# Altium PCB IOT_V1.3.PcbDoc (part 1 of 2)
Units mil, origin at the board's own origin, x right, y up, seen from the top; angles counter-clockwise.
Board outline 3405.51 x 3937.01 mil, 2 copper layers (Top Layer, Bottom Layer); 138 components, 122 nets, 485 pads, 475 vias.
Unrouted connection lines stored in the file: 52.
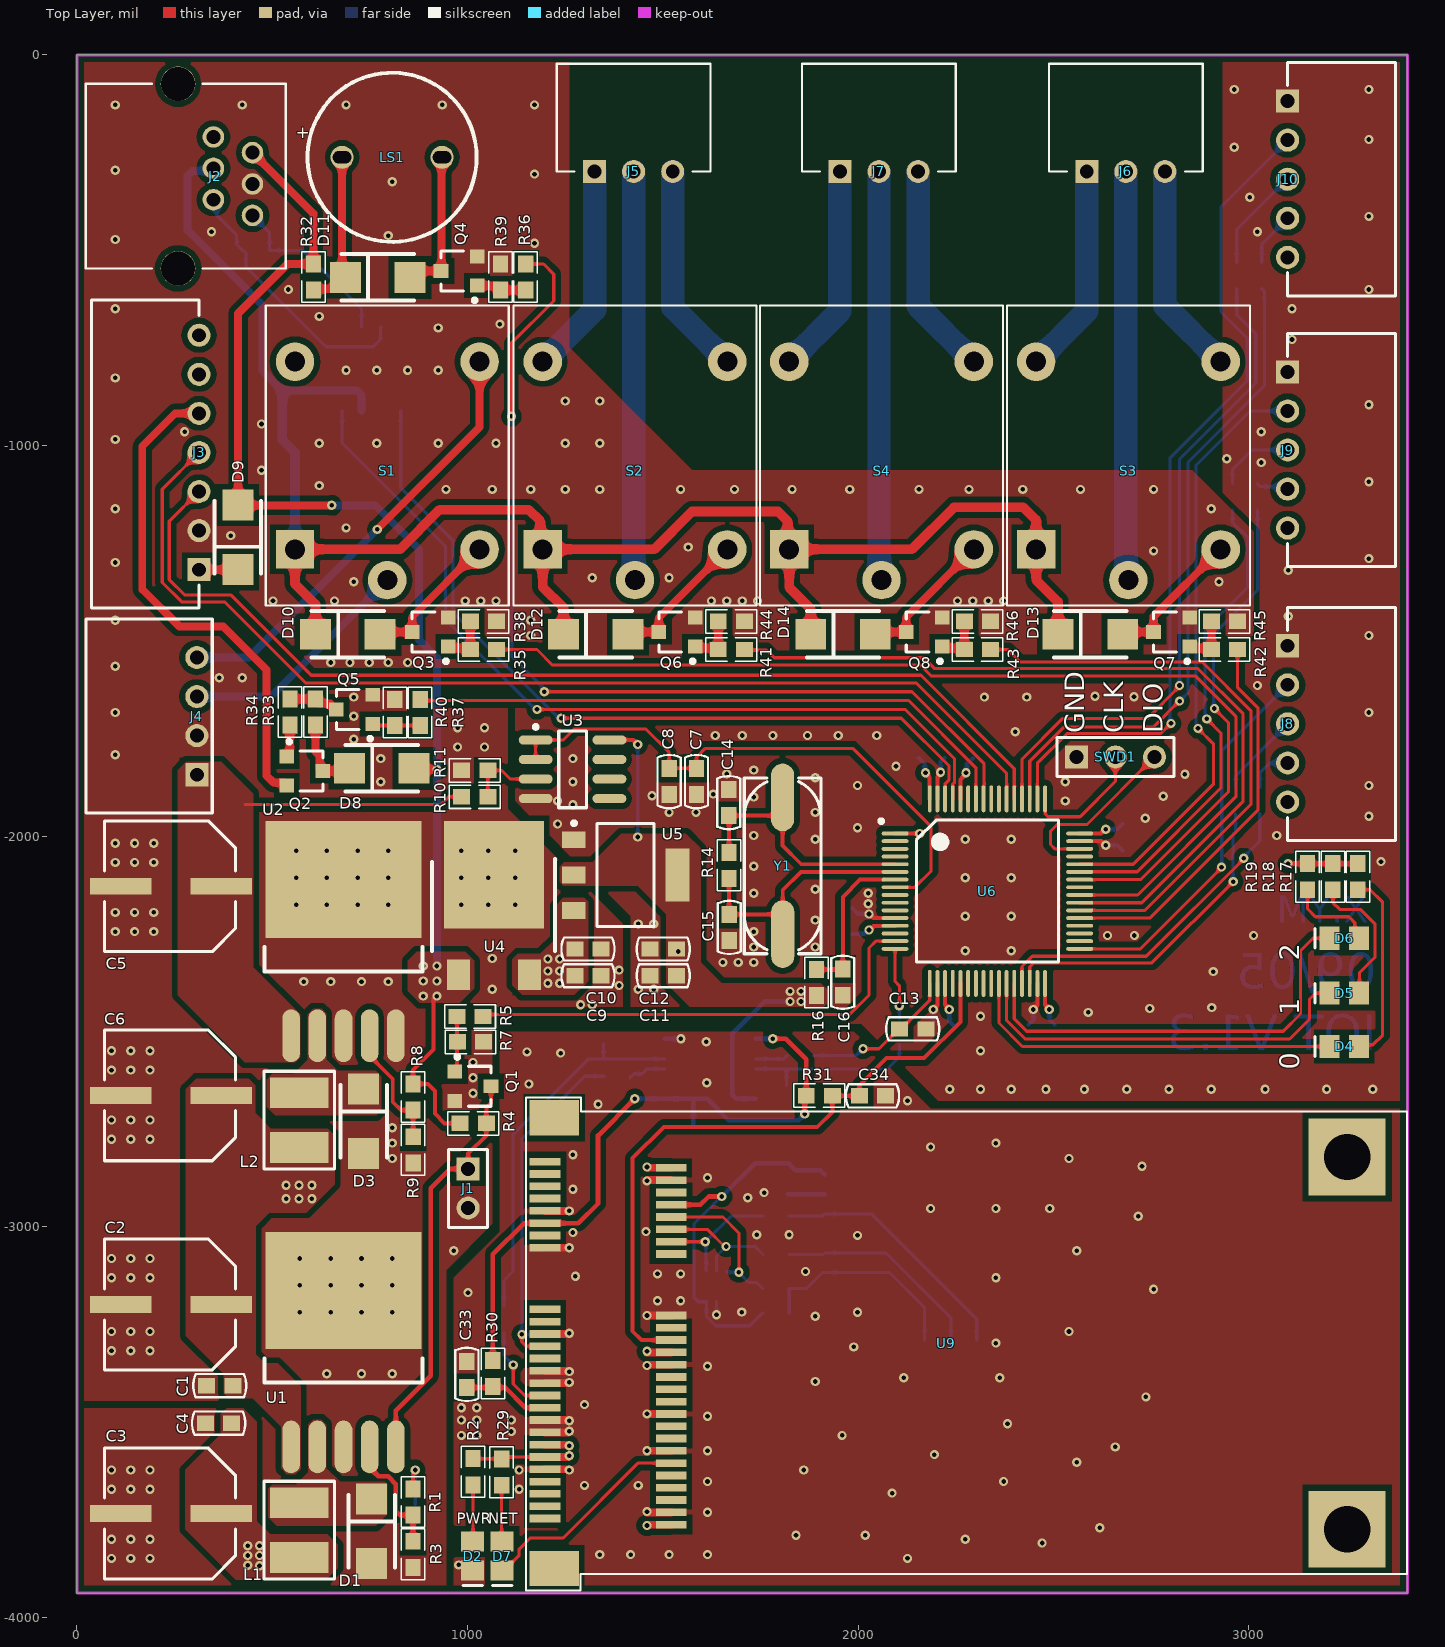
[diagram p0: Top Layer view]
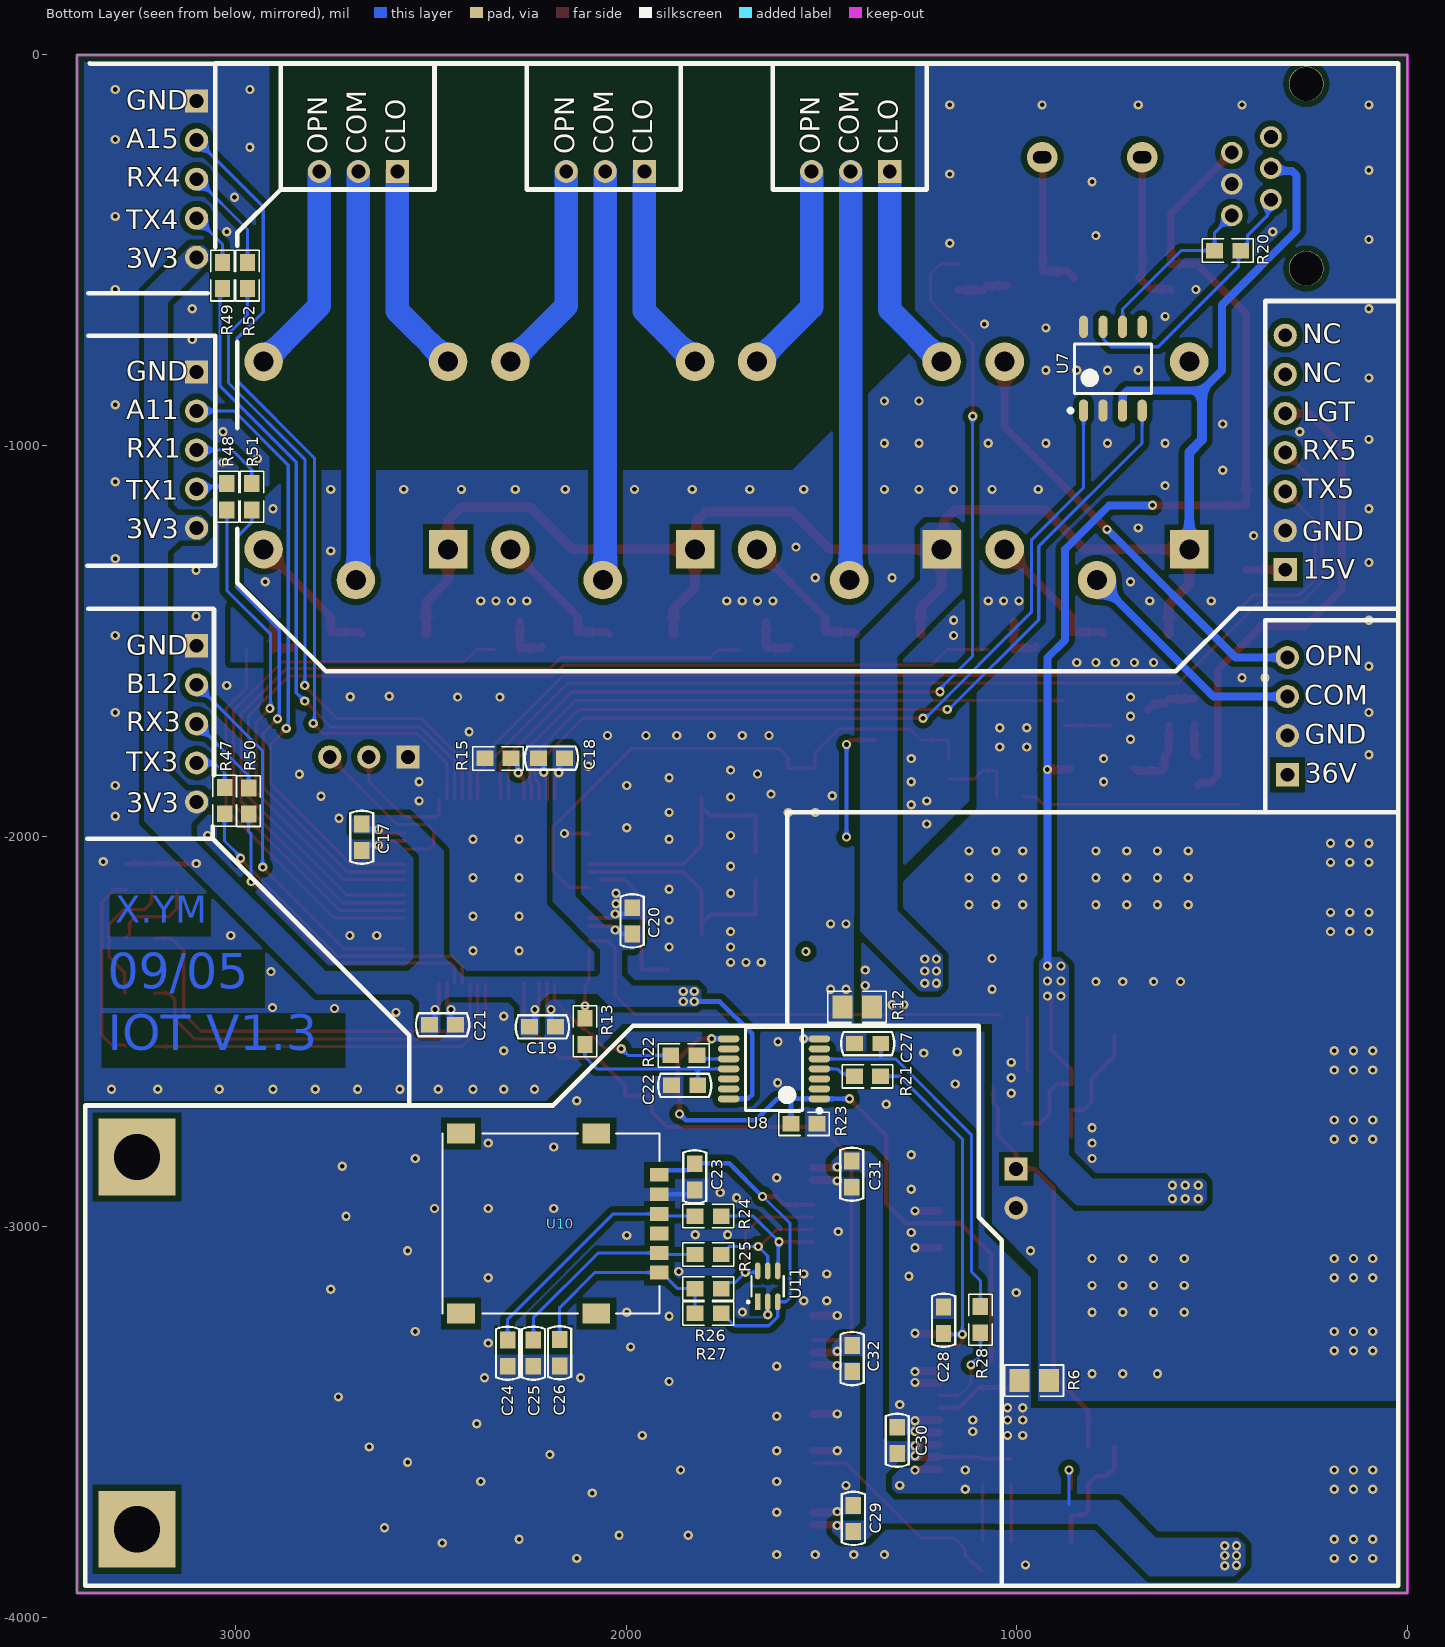
[diagram p1: Bottom Layer view, seen from below]
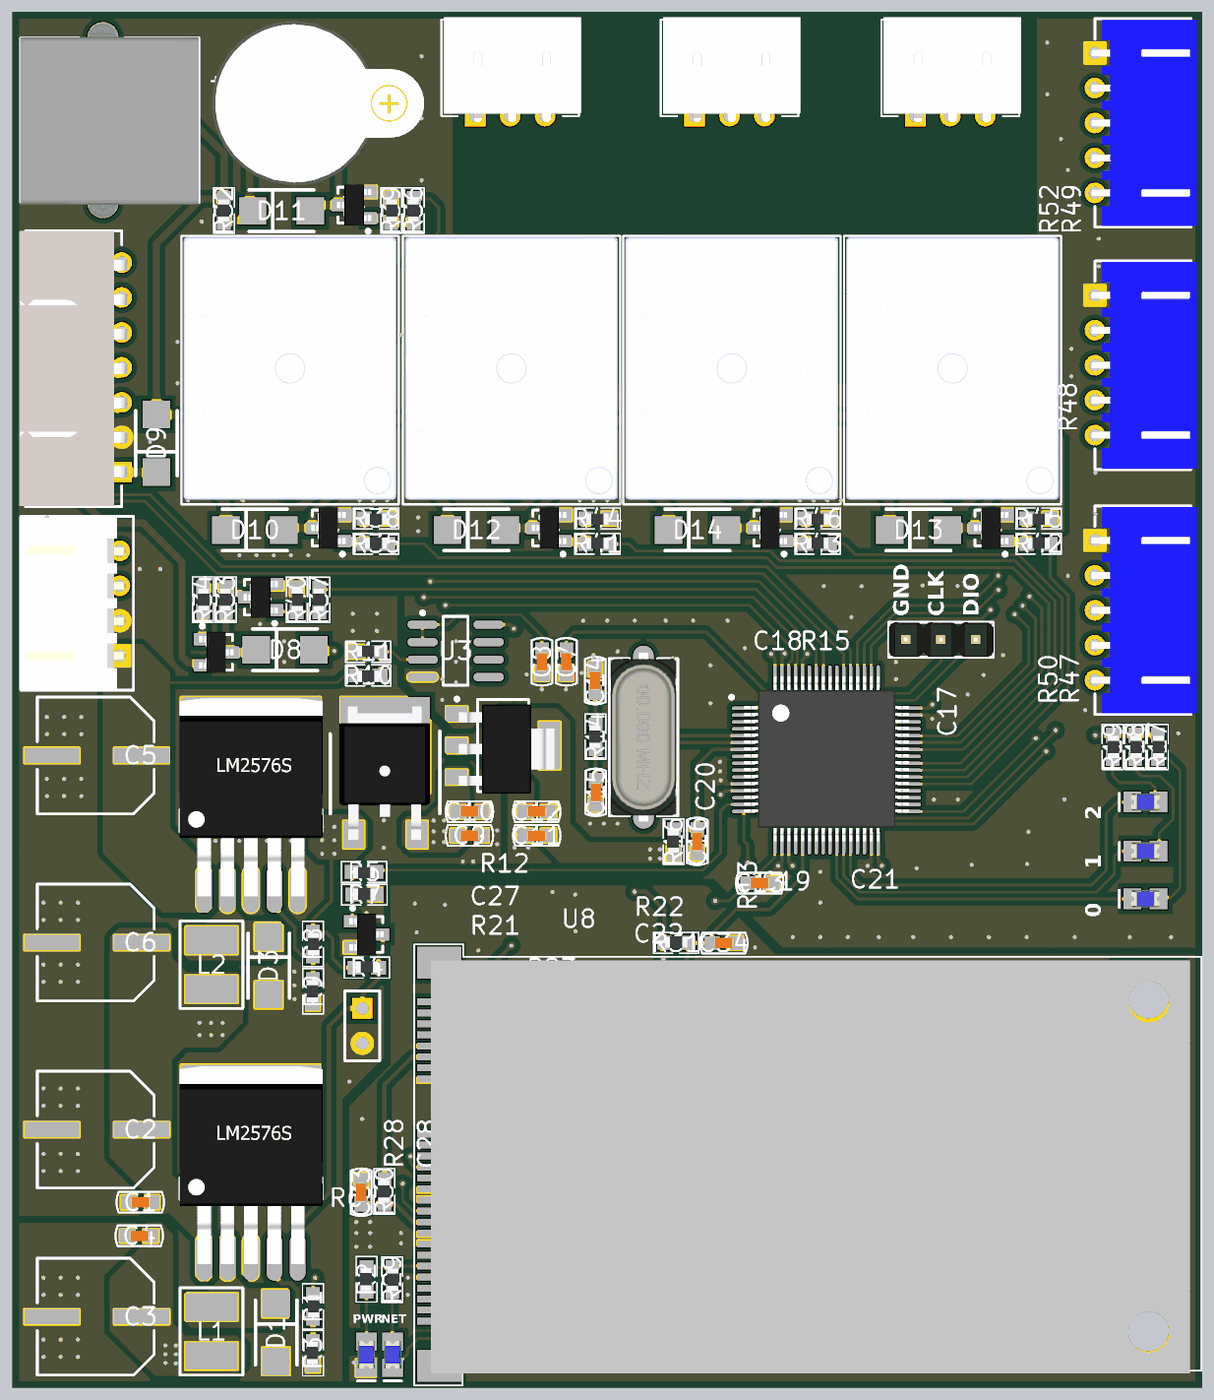
[diagram p3: 3D render of the assembled board from above, using the file's embedded part models]
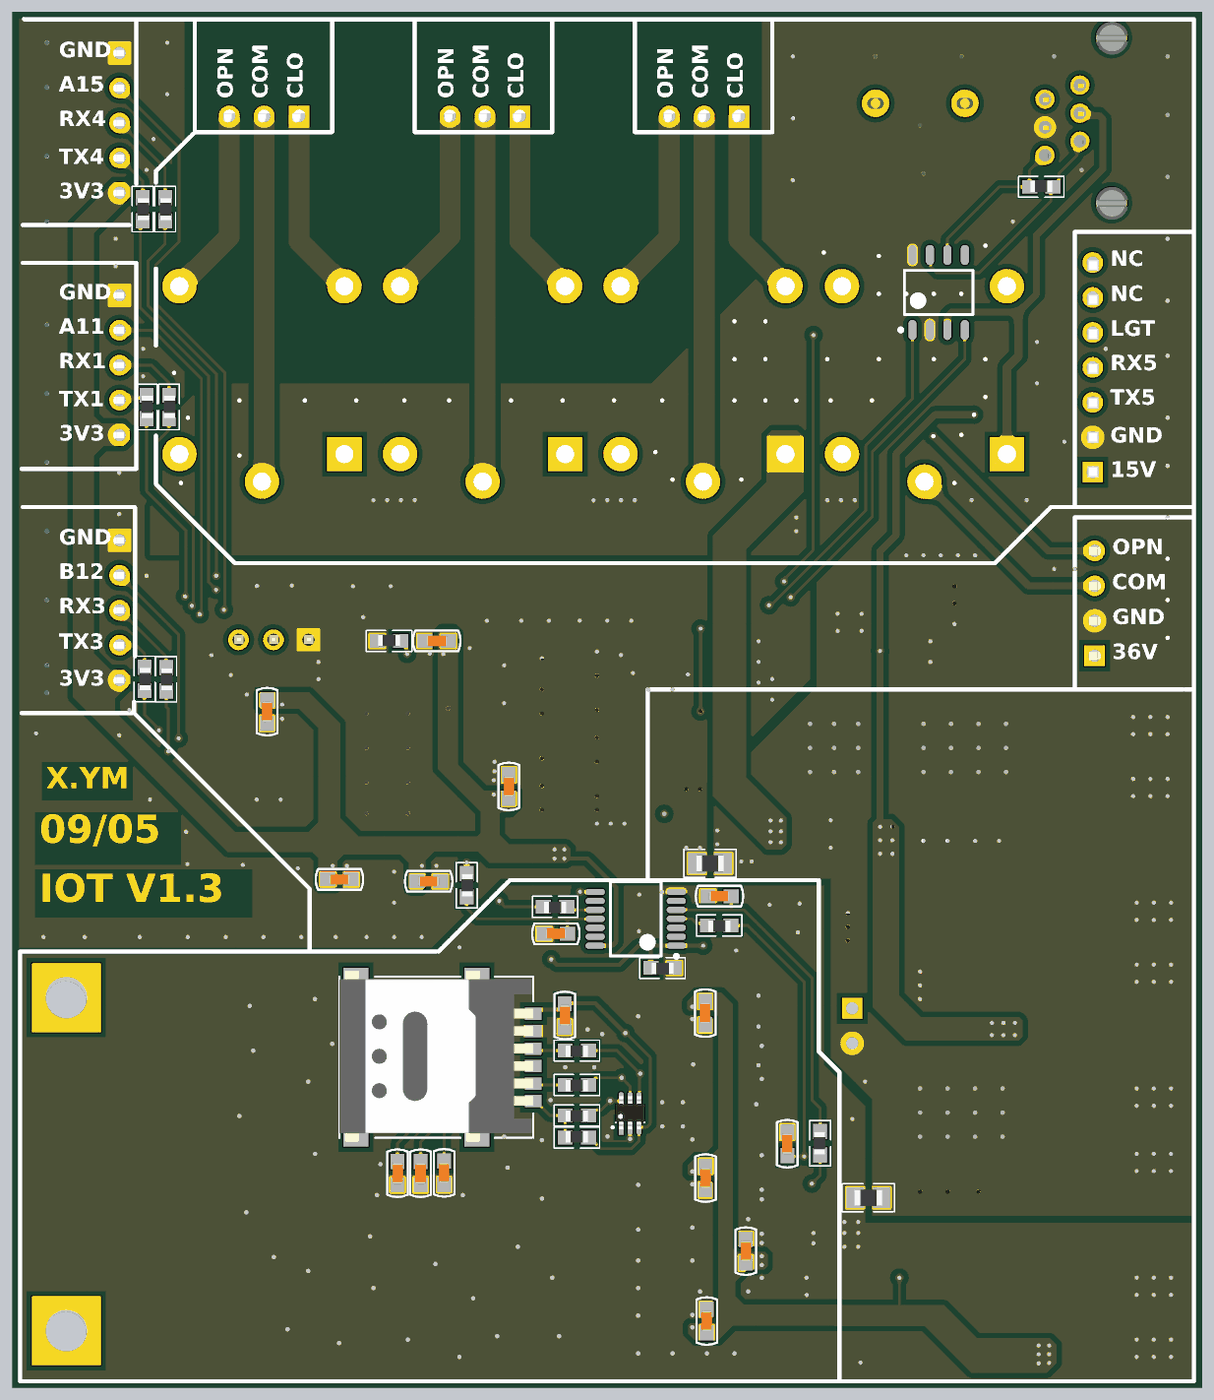
[diagram p4: 3D render of the assembled board from below, using the file's embedded part models]

## Layer stack, top to bottom
Top Layer: signal copper 1.4
Dielectric: dielectric 12.6, FR-4, Dk 4.8
Bottom Layer: signal copper 1.4

## Board outline
0,-3937.01 0,0 3405.51,0 3405.51,-3937.01

## Design rules (kind name [scope] priority, off if disabled: settings)
Clearance 11111 [InNamedPolygon('AGND_T') Or  InNamedPolygon('GND_4G_T1') Or  InNamedPolygon('GND_4G_T2') Or  InNamedPolygon('GND_T') Or  InNamedPolygon('AGND_B') Or  InNamedPolygon('GND_4G_B') Or  InNamedPolygon('GND_B')] p1: gap=15
Clearance [All] p2: gap=6
HoleSize [All] p1: absolutevalues=TRUE maxlimit=500 minlimit=1 maxpercent=80.000 minpercent=20.000
HoleToHoleClearance [All] p1: gap=1 allowstackedmicrovias=TRUE
MinimumSolderMaskSliver [All] p1: minsoldermaskwidth=1
PolygonConnect [All] p1: connectstyle=Direct reliefconductorwidth=10 reliefentries=4 polygonreliefangle="90 Angle"
RoutingVias [All] p1: holewidth=11.81 width=19.68 viastyle="Through Hole" minholewidth=11.81 minwidth=19.68 maxholewidth=39.37 maxwidth=59.06
SilkToSilkClearance [All] p1: silktosilkclearance=1
SilkscreenOverComponentPads SilkToSolderMaskClearance [IsPad] p1: minsilkscreentomaskgap=1
SolderMaskExpansion [All] p1: expansion=4
TestPointUsage FabricationTestPointUsage [All] p1: valid=0 allowmultiple=FALSE
Testpoint FabricationTestpoint [(IsPad And (OnTopLayer Or OnBottomLayer))] p1: side=3 testpointundercomponent=TRUE minsize=40 maxsize=100 preferedsize=60 minholesize=0 maxholesize=40 preferedholesize=32 testpointgrid=1 style=297 order=0123456789
Width [All] p1: maxlimit=80 minlimit=6 preferedwidth=6
19 further rules are at their usual default settings.

## Classes and differential pairs
component class 02_电源部分: C1 C2 C3 C4 C5 C6 C7 C8 C9 C10 C11 C12 D1 D2 D3 J1 L1 L2 Q1 R1 R2 R3 R4 R5 R6 R7 R8 R9 R10 R11 R12 U1 U2 U3 U4 U5
component class 03_MCU部分: C13 C14 C15 C16 C17 C18 C19 C20 C21 D4 D5 D6 J2 R13 R14 R15 R16 R17 R18 R19 R20 SWD1 U6 U7 Y1
component class 04_4G通信模块与外围电路: C22 C23 C24 C25 C26 C27 C28 C29 C30 C31 C32 C33 C34 D7 R21 R22 R23 R24 R25 R26 R27 R28 R29 R30 R31 U8 U9 U10 U11
component class 05_外部接口与其他部分: D8 D9 D10 D11 D12 D13 D14 J3 J4 J5 J6 J7 J8 J9 J10 LS1 Q2 Q3 Q4 Q5 Q6 Q7 Q8 R32 R33 R34 R35 R36 R37 R38 R39 R40 R41 R42 R43 R44 R45 R46 R47 R48 R49 R50 R51 R52 S1 S2 S3 S4

## Components (designator, comment, footprint, x,y, rotation, side; value= is the part's Value field where it differs from the comment)
C1 "Cap" CAP-0603 365.67,-3406.17 r0 top
C2 "Cap Pol" Cap8x10.5mm 366.09,-3198.36 r0 top
C3 "Cap Pol" Cap8x10.5mm 366.09,-3733.58 r0 top
C4 "Cap" CAP-0603 362.77,-3502.17 r0 top
C5 "Cap Pol" Cap8x10.5mm 366.09,-2127.91 r0 top
C6 "Cap Pol" Cap8x10.5mm 366.09,-2663.13 r0 top
C7 "Cap" CAP-0603 1585.85,-1859.89 r90 top
C8 "Cap" CAP-0603 1515.78,-1859.89 r90 top
C9 "Cap" CAP-0603 1308.13,-2356.81 r180 top
C10 "Cap" CAP-0603 1308.13,-2288.53 r180 top
C11 "Cap" CAP-0603 1500.81,-2356.81 r0 top
C12 "Cap" CAP-0603 1500.81,-2288.53 r0 top
C13 "Cap" CAP-0603 2139.4,-2493.2 r0 top
C14 "Cap" CAP-0603 1668.5,-1913.74 r270 top
C15 "Cap" CAP-0603 1669.94,-2233.27 r90 top
C16 "Cap" CAP-0603 1960.49,-2373.54 r90 top
C17 "Cap" CAP-0603 2676.5,-2002.5 r90 bottom
C18 "Cap" CAP-0603 2191,-1800 r180 bottom
C19 "Cap" CAP-0603 2214.01,-2488 r0 bottom
C20 "Cap" CAP-0603 1984.5,-2216.5 r270 bottom
C21 "Cap" CAP-0603 2469.5,-2482.5 r0 bottom
C22 "Cap" CAP-0603 1849.83,-2637.77 r180 bottom
C23 "Cap" CAP-0603 1824.16,-2871.65 r270 bottom
C24 "Cap" CAP-0603 2303.11,-3323.05 r90 bottom
C25 "Cap" CAP-0603 2237.04,-3323.05 r90 bottom
C26 "Cap" CAP-0603 2169.9,-3322.05 r270 bottom
C27 "Cap" CAP-0603 1381.42,-2530.53 r0 bottom
C28 "Cap" CAP-0603 1187.21,-3238.72 r270 bottom
C29 "Cap" CAP-0603 1417.87,-3746.05 r270 bottom
C30 "Cap" CAP-0603 1305.95,-3546.05 r270 bottom
C31 "Cap" CAP-0603 1422.28,-2864.95 r90 bottom
C32 "Cap" CAP-0603 1421.21,-3336.95 r90 bottom
C33 "Cap" CAP-0603 998.18,-3377.45 r270 top
C34 "Cap" CAP-0603 2036.46,-2664.46 r0 top
D1 "SS34" SMA(DO-214AC) 754.28,-3778.8 r270 top
D2 "LED" LED_0805 1012.85,-3842.4 r270 top
D3 "SS34" SMA(DO-214AC) 733.44,-2729.43 r270 top
D4 "LED" LED_0805 3243.86,-2538.01 r180 top
D5 "LED" LED_0805 3243.86,-2401.47 r180 top
D6 "LED" LED_0805 3243.86,-2261.1 r180 top
D7 "LED" LED_0805 1088.5,-3842.4 r270 top
D8 "SS34" SMA(DO-214AC) 780.46,-1825.94 r0 top
D9 "SS34" SMA(DO-214AC) 412.5,-1234.5 r90 top
D10 "SS34" SMA(DO-214AC) 693.46,-1483 r0 top
D11 "SS34" SMA(DO-214AC) 769.97,-569.94 r0 top
D12 "SS34" SMA(DO-214AC) 1328.01,-1483 r0 top
D13 "SS34" SMA(DO-214AC) 2594.01,-1483 r0 top
D14 "SS34" SMA(DO-214AC) 1961.01,-1483 r0 top
J1 "Header 2" Header_2X1_2.54 1001.43,-2851.44 r270 top
J2 "标准接口" 标准接口-直插-灰色 349.45,-210 r90 top locked
J3 "Header7" Header_7X1_XH_2.54_弯针 312.66,-1017.66 r90 top locked
J4 "Header 4" Header_4P_XH_2.54_弯脚 307.12,-1692.5 r90 top locked
J5 "Header3" Header_3X1_XH_2.54_弯脚 1425.01,-298.47 r0 top locked
J6 "Header3" Header_3X1_XH_2.54_弯脚 2685.01,-298.47 r0 top locked
J7 "Header3" Header_3X1_XH_2.54_弯脚 2053.01,-298.47 r0 top locked
J8 "Header5" HEADER_5X1_XH_2.54_弯针 3099.03,-1512.36 r270 top
J9 "Header5" HEADER_5X1_XH_2.54_弯针 3099.03,-811.36 r270 top
J10 "Header5" HEADER_5X1_XH_2.54_弯针 3099.03,-118.24 r270 top
L1 "Inductor" CD43 569.44,-3775.91 r0 top
L2 "Inductor" CD43 569.44,-2726.54 r0 top
LS1 "蜂鸣器" "蜂鸣器 9*5mm" 806.71,-262.11 r0 top locked
Q1 "SS8050" SOT-23 1013.76,-2639.81 r270 top
Q2 "AO3400" SOT-23-MOSFET 583.43,-1832.88 r270 top
Q3 "SS8050" SOT-23 904.54,-1477.12 r90 top
Q4 "SS8050" SOT-23 978.13,-553.17 r90 top
Q5 "AO3401" SOT-23-MOSFET 710.56,-1675.21 r90 top
Q6 "SS8050" SOT-23 1536,-1477.12 r90 top
Q7 "SS8050" SOT-23 2802,-1477.12 r90 top
Q8 "SS8050" SOT-23 2169,-1477.12 r90 top
R1 "Res" 0603 860.24,-3704.09 r270 top
R2 "Res" 0603 1013.83,-3626.63 r90 top
R3 "Res" 0603 860.24,-3837.87 r90 top
R4 "Res" 0603 1014.46,-2734.8 r0 top
R5 "Res" 0603 1006.46,-2461.2 r180 top
R6 "Res" 0805 955.21,-3393.37 r0 bottom
R7 "Res" 0603 1007.46,-2526.15 r0 top
R8 "Res" 0603 860.24,-2667.35 r270 top
R9 "Res" 0603 860.5,-2802.5 r90 top
R10 "Res" 0603 1018.38,-1898.97 r180 top
R11 "Res" 0603 1018.38,-1831.42 r0 top
R12 "Res" 0805 1408.39,-2436.72 r0 bottom
R13 "Res" 0603 2105.09,-2499.23 r270 bottom
R14 "Res" 0603 1669.07,-2074.5 r90 top
R15 "Res" 0603 2327.42,-1800.43 r180 bottom
R16 "Res" 0603 1892.99,-2374.46 r90 top
R17 "Res" 0603 3278.88,-2103.48 r270 top
R18 "Res" 0603 3214.88,-2103.48 r270 top
R19 "Res" 0603 3149.81,-2103.48 r270 top
R20 "Res" 0603 460,-501 r180 bottom
R21 "Res" 0603 1382.01,-2614.37 r0 bottom
R22 "Res" 0603 1851.97,-2560.95 r0 bottom
R23 "Res" 0603 1544.41,-2735.94 r0 bottom
R24 "Res" 0603 1789.73,-2972.34 r0 bottom
R25 "Res" 0603 1789.73,-3070.57 r0 bottom
R26 "Res" 0603 1789.73,-3157.8 r0 bottom
R27 "Res" 0603 1789.73,-3221.03 r180 bottom
R28 "Res" 0603 1093.12,-3237.29 r90 bottom
R29 "Res" 0603 1087.29,-3627.63 r270 top
R30 "Res" 0603 1064.76,-3375.11 r90 top
R31 "Res" 0603 1900.24,-2664.03 r0 top
R32 "Res" 0603 605.54,-568.69 r90 top
R33 "Res" 0603 610.66,-1682.06 r90 top
R34 "Res" 0603 545.41,-1682.06 r270 top
R35 "Res" 0603 1040.61,-1522.09 r0 top
R36 "Res" 0603 1148.66,-568.69 r90 top
R37 "Res" 0603 878.54,-1683.06 r90 top
R38 "Res" 0603 1040.61,-1449.97 r180 top
R39 "Res" 0603 1084.41,-568.69 r270 top
R40 "Res" 0603 814.01,-1683.06 r270 top
R41 "Res" 0603 1675,-1522.09 r0 top
R42 "Res" 0603 2937.5,-1522.09 r0 top
R43 "Res" 0603 2305,-1522.09 r0 top
R44 "Res" 0603 1675,-1449.97 r180 top
R45 "Res" 0603 2937.5,-1449.97 r180 top
R46 "Res" 0603 2305,-1449.97 r180 top
R47 "Res" 0603 3027.51,-1908.97 r270 bottom
R48 "Res" 0603 3021.57,-1130.97 r270 bottom
R49 "Res" 0603 3032.76,-564.97 r270 bottom
R50 "Res" 0603 2965.83,-1909.97 r270 bottom
R51 "Res" 0603 2957.64,-1130.97 r270 bottom
R52 "Res" 0603 2968.7,-564.97 r270 bottom
S1 "Delay" SongLe_Relay 794.5,-1025.5 r270 top locked
S2 "Delay" SongLe_Relay 1428.5,-1025.5 r270 top locked
S3 "Delay" SongLe_Relay 2691.5,-1025.5 r270 top locked
S4 "Delay" SongLe_Relay 2059.5,-1025.5 r270 top locked
SWD1 "Header3" Header_3X1_2.54_排针 2558.38,-1796.91 r0 top
U1 "LM2576-ADJ" "TO-263-5 无背面散热" 667.5,-3360 r180 top
U2 "LM2596" "TO-263-5 无背面散热" 667.5,-2307.65 r180 top
U3 "LMV358" OPA2350 1268.71,-1828.57 r0 top locked
U4 "7805" TO-252 1067.8,-2226.4 r0 top
U5 "ASM1117-3.3" SOT-223 1404.47,-2099.41 r270 top
U6 "STM32F103R" LQFP64 2330.5,-2140.5 r0 top locked
U7 "TJA1050" TJA1050 763.87,-693.17 r90 bottom
U8 "TXB0104PWR" TSSOP-14 1621.09,-2595.29 r0 bottom
U9 "EC200S-PCIe" MINIPCIE1 1198.3,-2832.87 r180 top locked
U10 "nano_sim" Nano_SIM_6P 2075.85,-2760.97 r270 bottom
U11 "SMF05C" SOT-363 1637.27,-3152.01 r90 bottom
Y1 "XTAL" X-SM49 1806.5,-2075.5 r270 top locked

## Footprints (in the part's own frame and the unit in brackets; to place one, negate y for a bottom-side part, rotate by r counter-clockwise, add the part's x,y. Pads: shape width x height; smd on the part's side, far side on the other; paste and mask are expansions set on the pad)
0603 [mm] "贴片带丝印"
  rect 1.1x1 smd: 1(-0.85,0) 2(0.85,0)
  silkscreen extent -1.65,-0.76 1.65,0.76, body extent -0.8,-0.38 0.8,0.47, height 0.6
0805 [mm] "贴片带丝印"
  rect 1.3x1.5 smd: 1(-0.95,0) 2(0.95,0)
  silkscreen extent -1.91,-1.02 1.91,1.02, body extent -1,-0.6 1,0.6, height 0.85
Cap8x10.5mm [mm] "for 470uf"
  rect 4x1.1 smd: 1(0.089,0) 2(-6.439,0)
  silkscreen extent -7.5,-4.25 1,4.25, body extent -7.5,-4 0.5,4, height 10
CAP-0603 [mm] "贴片电容"
  rect 1.1x1 smd: 1(-0.85,0) 2(0.85,0)
  silkscreen extent -1.73,-0.75 1.73,0.75, body extent -0.76,-0.38 0.76,0.38, height 0.78
CD43 [mm]
  rect 3.8x2 smd: 1(0,1.778) 2(0,-1.778)
  silkscreen extent -2.29,-3.18 2.29,3.17, body extent -2,-2.54 2,2.54, height 3.7
Header_2X1_2.54 [mm] "2.54间距排针"
  rect 1.5x1.5 hole 0.9: 1(0,0)
  round 1.5 hole 0.9: 2(2.54,0)
  silkscreen extent -1.27,-1.27 3.81,1.27
Header_3X1_2.54_排针 [mm] "2.54排针-3x1"
  rect 1.5x1.5 hole 0.9: 1(0,0)
  round 1.5 hole 0.9: 2(2.54,0) 3(5.08,0)
  silkscreen extent -1.27,-1.27 6.35,1.27, body extent -1.27,-1.27 6.35,1.27, height 9.2
Header_3X1_XH_2.54_弯脚 [mm] "2.54接插件-带塑料座-弯脚"
  rect 1.5x1.5 hole 0.9: 1(-2.54,0)
  round 1.5 hole 0.9: 2(0,0) 3(2.54,0)
  silkscreen extent -5,0 5,7, body extent -4.85,-0.46 5.15,7.18, height 5.95
Header_4P_XH_2.54_弯脚 [mm] "2.54间距XH弯脚接插件"
  rect 1.5x1.5 hole 0.9: 1(-3.81,0)
  round 1.5 hole 0.9: 2(-1.27,0) 3(1.27,0) 4(3.81,0)
  silkscreen extent -6.31,-1 6.31,7.2, body extent -6.26,-0.4 6.24,7.2, height 6.2
HEADER_5X1_XH_2.54_弯针 [mm] "XH_5Pin接插件_弯脚"
  rect 1.5x1.5 hole 0.9: 1(0,0)
  round 1.5 hole 0.9: 2(2.54,0) 3(5.08,0) 4(7.62,0) 5(10.16,0)
  silkscreen extent -2.5,0 12.66,7, body extent -2.42,-0.33 12.58,7.4, height 5.71
Header_7X1_XH_2.54_弯针 [mm] "XH_7x1弯针接插件,间距2.54mm"
  rect 1.5x1.5 hole 0.9: 1(-7.62,0)
  round 1.5 hole 0.9: 2(-5.08,0) 3(-2.54,0) 4(0,0) 5(2.54,0) 6(5.08,0) 7(7.62,0)
  silkscreen extent -10.12,0 9.92,7, body extent -10.08,-0.38 9.92,7.44, height 5.85
LED_0805 [mm] "贴片二极管"
  rect 1.3x1.5 smd: 1(-0.95,0) 2(0.95,0)
  silkscreen extent 1.9,-0.63 1.9,0.63, body extent -1.01,-0.62 1.01,0.62, height 1.1
LQFP64 [mm] "64引脚芯片-无散热盘"
  oval 1.75x0.25 smd: 1(-6,3.75) 2(-6,3.25) 3(-6,2.75) 4(-6,2.25) 5(-6,1.75) 6(-6,1.25) 7(-6,0.75) 8(-6,0.25) 9(-6,-0.25) 10(-6,-0.75) 11(-6,-1.25) 12(-6,-1.75) 13(-6,-2.25) 14(-6,-2.75) 15(-6,-3.25) 16(-6,-3.75) 33(6,-3.75) 34(6,-3.25) 35(6,-2.75) 36(6,-2.25) 37(6,-1.75) 38(6,-1.25) 39(6,-0.75) 40(6,-0.25) 41(6,0.25) 42(6,0.75) 43(6,1.25) 44(6,1.75) 45(6,2.25) 46(6,2.75) 47(6,3.25) 48(6,3.75)
  oval 0.25x1.75 smd: 17(-3.75,-6) 18(-3.25,-6) 19(-2.75,-6) 20(-2.25,-6) 21(-1.75,-6) 22(-1.25,-6) 23(-0.75,-6) 24(-0.25,-6) 25(0.25,-6) 26(0.75,-6) 27(1.25,-6) 28(1.75,-6) 29(2.25,-6) 30(2.75,-6) 31(3.25,-6) 32(3.75,-6) 49(3.75,6) 50(3.25,6) 51(2.75,6) 52(2.25,6) 53(1.75,6) 54(1.25,6) 55(0.75,6) 56(0.25,6) 57(-0.25,6) 58(-0.75,6) 59(-1.25,6) 60(-1.75,6) 61(-2.25,6) 62(-2.75,6) 63(-3.25,6) 64(-3.75,6)
  silkscreen extent -7.02,-4.61 4.61,4.67, body extent -5.99,-5.93 6.01,6.07, height 1.6
MINIPCIE1 [mm] "EC200T"
  rect 5x5 hole 3: 0(-52.15,-0.3) 0(-52.15,23.9)
  rect 3.2x2.3 smd: 0(-0.6,26.45) 0(-0.6,-2.85)
  rect 2x0.5 smd: 1(0,0) 2(-8.2,0.4) 3(0,0.8) 4(-8.2,1.2) 5(0,1.6) 6(-8.2,2) 7(0,2.4) 8(-8.2,2.8) 9(0,3.2) 10(-8.2,3.6) 11(0,4) 12(-8.2,4.4) 13(0,4.8) 14(-8.2,5.2) 15(0,5.6) 16(-8.2,6) 17(0,9.6) 18(-8.2,10) 19(0,10.4) 20(-8.2,10.8) 21(0,11.2) 22(-8.2,11.6) 23(0,12) 24(-8.2,12.4) 25(0,12.8) 26(-8.2,13.2) 27(0,13.6) 28(-8.2,14) 29(0,14.4) 30(-8.2,14.8) 31(0,15.2) 32(-8.2,15.6) 33(0,16) 34(-8.2,16.4) 35(0,16.8) 36(-8.2,17.2) 37(0,17.6) 38(-8.2,18) 39(0,18.4) 40(-8.2,18.8) 41(0,19.2) 42(-8.2,19.6) 43(0,20) 44(-8.2,20.4) 45(0,20.8) 46(-8.2,21.2) 47(0,21.6) 48(-8.2,22) 49(0,22.4) 50(-8.2,22.8) 51(0,23.2) 52(-8.2,23.6)
  silkscreen extent -56.02,-4.17 1.22,27.87, body extent -55.2,-3 0,27, height 4.4
Nano_SIM_6P [mm]
  rect 1.3x1.8 smd: 0(0,-8.8) 0(0,0) 0(11.7,-8.8) 0(11.7,0)
  rect 0.9x1.2 smd: 1(2.68,4.1) 2(5.22,4.1) 3(7.76,4.1) 4(3.95,4.1) 5(6.49,4.1) 6(9.03,4.1)
  silkscreen extent 0,-10 11.7,4.1, body extent -0.42,-10 11.98,4.1, height 1.55
OPA2350 [mm] "SOIC, 8-Leads, Body 4.9x3.9mm, Pitch 1.27mm, IPC Medium Density"
  oval 2.2x0.6 smd: 1(-2.4,1.905) 2(-2.4,0.635) 3(-2.4,-0.635) 4(-2.4,-1.905) 5(2.4,-1.905) 6(2.4,-0.635) 7(2.4,0.635) 8(2.4,1.905)
  silkscreen extent -2.52,-2.5 0.9,2.88, body extent -1.95,-2.45 1.95,2.45, height 1.75
SMA(DO-214AC) [mm] "SS系列肖特基二极管"
  rect 2x2 smd: 1(2.1,0) 2(-2.1,0)
  silkscreen extent -2.35,-1.5 2.35,1.52
SongLe_Relay [mm]
  rect 2.5x2.5 hole 1.3: 1(6.1,-6)
  round 2.5 hole 1.3: 2(8.1,0) 3(6.1,6) 4(-6.1,6) 6(-6.1,-6)
  silkscreen extent -9.75,-7.9 9.75,7.9, body extent -9.68,-7.75 9.42,7.75, height 15.6
SOT-23 [mm]
  rect 0.9x0.95 smd: 1(-0.95,-1.175) 2(0.95,-1.175) 3(0,1.175)
  silkscreen extent -2.03,-1.14 1.3,1.18, body extent -1.5,-1.25 1.5,1.25, height 1.15
SOT-23-MOSFET [mm] "SOT-23封装MOSFET"
  rect 0.9x0.95 smd: D(0,1.175) G(-0.95,-1.175) S(0.95,-1.175)
  silkscreen extent -2.03,-1.14 1.3,1.18, body extent -1.5,-1.25 1.5,1.25, height 1.15
SOT-223 [mm]
  rect 1.1x1.55 smd: 1(-2.3,-3.375) 2(0,-3.375) 3(2.3,-3.375)
  rect 3.45x1.55 smd: 2(0,3.375)
  silkscreen extent -3.5,-3.48 3.35,1.85, body extent -3,-3.23 3.5,3.73, height 1.7
SOT-363 [mm] "SOT-363封装"
  rect 1.1x0.35 smd: 1(-1,0.65)
  oval 1.1x0.35 smd: 2(-1,0) 3(-1,-0.65) 4(1,-0.65) 5(1,0) 6(1,0.65)
  silkscreen extent -1.09,-1.05 0.65,1.35, body extent -1.15,-1.1 1.25,1.1, height 1.1
TJA1050 [mm] "SOIC, 8-Leads, Body 4.90x3.90mm, Pitch 1.27mm, IPC Medium Density"
  oval 1.45x0.6 smd: 1(-5.519,1.651) 2(-5.519,0.381) 3(-5.519,-0.889) 4(-5.519,-2.159) 5(-0.069,-2.159) 6(-0.069,-0.889) 7(-0.069,0.381) 8(-0.069,1.651)
  silkscreen extent -5.64,-2.75 -1.19,2.63, body extent -4.79,-2.75 -0.79,2.25, height 1.45
TO-252 [mm] "TO-252封装MOS管"
  rect 1.5x2 smd: 1(-2.311,-3.25) 3(2.311,-3.25)
  rect 6.5x7 smd: 2(-0.011,3.25)
  silkscreen extent -4.03,-1.73 3.95,4.27, body extent -3.34,-3.64 3.24,6.06, height 2.3
"TO-263-5 无背面散热" [mil]
  rect 400x300 smd: 0(-15,-197)
  oval 45x135 smd: 1(119,203) 2(52,203) 3(-15,203) 4(-82,203) 5(-149,203)
  silkscreen extent -217,-24 187,38, body extent -220,-343 190,223, height 203
TSSOP-14 [mm]
  oval 1.4x0.45 smd: 1(-2.95,1.95) 2(-2.95,1.3) 3(-2.95,0.65) 4(-2.95,0) 5(-2.95,-0.65) 6(-2.95,-1.3) 7(-2.95,-1.95) 8(2.95,-1.95) 9(2.95,-1.3) 10(2.95,-0.65) 11(2.95,0) 12(2.95,0.65) 13(2.95,1.3) 14(2.95,1.95)
  silkscreen extent -3.07,-2.7 1.85,2.85, body extent -2.25,-2.7 2.25,2.7, height 0.2
X-SM49 [mm] "贴片晶振"
  oval 4.4x1.5 smd: 1(4.45,0.004) 2(-4.45,-0.004)
  silkscreen extent -5.7,-2.5 5.72,2.5, body extent -6.15,-2.35 6.15,2.35, height 4.4
标准接口-直插-灰色 [mm] "90度直插RJ11接口-小型-间距1.02mm"
  round 1.4 hole 0.9: 1(0,0) 2(-1.02,-2.54) 3(-2.04,0) 4(-3.06,-2.54) 5(-4.08,0) 6(-5.1,-2.54)
  round 2.25 hole 2.2: ""(-8.55,2.3) ""(3.45,2.3)
  silkscreen extent -8.55,-4.7 3.45,8.3, body extent -9.79,-4.66 4.61,8.34, height 14.8
"蜂鸣器 9*5mm" [mm]
  round 1.5 / inner round 1.5 / far side round 2 hole 0.8 slot 1.2 at 0 deg: 1(-3.25,0) 2(3.25,0)
  silkscreen extent -5.5,-5.5 5.5,5.5, body extent -6,-6 9.45,6, height 9.75

## Part data
C1 C4 C7 C8 C9 C10 C11 C12 C13 C14 C15 C16 C17 C18 C19 C20 C21 C22 C23 C24 C25 C26 C27 C28 C29 C30 C31 C32 C33 C34: "无极性电容"
C2 C3 C5 C6: "贴片电解电容 8*10.5mm"
D1 D3 D8 D9 D10 D11 D12 D13 D14: library part "D Schottky", "Schottky Diode"
D2 D4 D5 D6 D7: "发光二极管"
J1 J3 J4 J5 J6 J7 J8 J9 J10 SWD1: "接插件"
L1 L2: "贴片功率电感"
LS1: library part Speaker, "Loudspeaker"
Q1 Q3 Q4 Q6 Q7 Q8: "NPN贴片三极管"
Q2: library part MOSFET-N, "N沟道MOS管"
Q5: library part MOSFET-P, "P沟道MOS管"
R1 R2 R3 R4 R5 R6 R7 R8 R9 R10 R11 R12 R13 R14 R15 R16 R17 R18 R19 R20 R21 R22 R23 R24 R25 R26 R27 R28 R29 R30 R31 R32 R33 R34 R35 R36 R37 R38 R39 R40 R41 R42 R43 R44 R45 R46 R47 R48 R49 R50 R51 R52: "贴片电阻"
S1 S2 S3 S4: library part SongLe_Relay, "松乐继电器"
U1: library part LM2576
U2: "DC/DC"
U4: "三端稳压器7805"
U5: library part ASM1117, "3.3V稳压芯片"
U6: "STM32单片机64引脚"
U7: "CAN收发器芯片"
U8: "电平转换芯片"
U9: library part EC200T-PCIe
Y1: "晶振"

## Via types
v1: diameter 23.62, hole 11.81, Top Layer to Bottom Layer, tented both sides, 475 vias

## Nets (pads, with @x,y where several pads share a name; then routed paths per layer and width w, separated by ;. In a path a pad name is that pad's centre, name@x,y a point inside that pad or via, vN(x,y) a via of type N, cw(c..) or ccw(c..) an arc to the next point about the centre after c; other vN are vias at no path point)
3V3: C11.2 C12.2 C17.2 C18.2 C19.2 C20.2 C21.2 J8.5 J9.5 J10.5 R16.1 R17.1 R18.1 R19.1 U3.8 U5.2 U6.1 U6.13 U6.19 U6.32 U6.48 U6.64 U8.14 | length 1543.3
  Top Layer w10: U3.8@1363.2,-1753.57 1424.08,-1753.57 v1(1435.5,-1765) ; v1(2027.5,-2239.94) 2029.39,-2239.94 2040.17,-2229.16 U6.13@2094.28,-2229.16 ; U6.1@2094.28,-1992.86 v1(2157.65,-1992.86) ; v1@2172.01,-1839.39 2182.79,-1850.16 U6.64@2182.79,-1904.28 ; U6.19@2222.32,-2376.72 2222.32,-2430.83 v1@2233.1,-2441.61 ; U6.32@2478.22,-2376.72 2478.22,-2430.83 v1@2489,-2441.61 ; U6.48@2566.72,-1992.78 2620.84,-1992.78 v1@2631.62,-1982
  Top Layer w12: v1(3099.99,-2070.01) R19.1@3149.81,-2070.01 R18.1@3214.88,-2070.01 R17.1@3278.88,-2070.01
  Bottom Layer w10: v1(1435.5,-2002) v1(1435.5,-1765) ; v1(1825.5,-2423) v1@1826,-2423.5 ; C20.2@1984.5,-2249.97 2015.35,-2249.97 2025.38,-2239.94 v1(2027.5,-2239.94) ; C18.2@2153.54,-1800 2155.5,-1800 2170.19,-1814.69 2170.19,-1835.68 v1(2172.01,-1837.5) ; v1@2233.1,-2444.5 2233.1,-2473.62 C19.2@2247.47,-2488 ; v1@2489,-2444.5 2489,-2468.54 C21.2@2502.97,-2482.5 ; v1(2633.5,-1982) 2663.54,-1982 C17.2@2676.5,-1969.03
  Bottom Layer w12: U8.14@1737.23,-2672.07 1688.07,-2672.07 1677.17,-2661.17 1677.17,-2505.83 1760,-2423 v1(1825.5,-2423)
  other v1: 2233.1,-2443.5 2489,-2443.5 1853.5,-2423 1825.5,-2397 1853.5,-2397 1539.5,-2295
3V8: C3.1 C4.2 C29.2 C30.2 C31.2 C32.2 L1.2 R1.1 R2.2 R29.1 U9.2 U9.24 U9.39 U9.41 U9.52 | length 639.3
  Top Layer w8: R1.1@860.24,-3670.63 860.24,-3627.95 v1(866.14,-3622.05) ; R2.2@1013.83,-3593.17 1086.29,-3593.17 R29.1@1087.29,-3594.17 1092.68,-3588.78 U9.41@1198.3,-3588.78
  Top Layer w20: U9.41@1198.3,-3588.78 1257.31,-3588.78 v1(1260.31,-3585.78) ; U9.39@1198.3,-3557.28 1257.31,-3557.28 v1(1260.31,-3560.28) ; v1@1459.11,-3762 U9.52@1521.13,-3762 ; v1@1459.11,-3321.06 U9.24@1521.13,-3321.06 ; v1@1459.11,-2848.62 U9.2@1521.13,-2848.62
  Bottom Layer w8: 866.14,-3710.63 v1(866.14,-3622.05)
  other v1: 467.5,-3867 437.5,-3866 437.5,-3841 467.5,-3841 437.5,-3816 467.5,-3816 1459.11,-3764 1459.11,-3318.06 1459.11,-2846.62
5V: C9.2 C10.2 D10.2 D12.2 D13.2 D14.2 J2.3 S1.1 S2.1 S3.1 S4.1 U4.3 U5.3 U7.3 | length 4623.6
  Top Layer w25: D10.2@610.78,-1483 610.78,-1406.28 558.28,-1353.78 S1.1@558.28,-1265.65 826.85,-1265.65 928.5,-1164 1156.5,-1164 1186.09,-1193.59 1186.09,-1259.46 S2.1@1192.28,-1265.65 ; D12.2@1245.33,-1483 1245.33,-1414.83 1192.28,-1361.78 S2.1@1192.28,-1265.65 ; D14.2@1878.33,-1483 1878.33,-1417.83 1823.28,-1362.78 S4.1@1823.28,-1265.65 ; D13.2@2511.33,-1483 2511.33,-1399.83 2455.28,-1343.78 S3.1@2455.28,-1265.65 2455.28,-1190.78 2422.5,-1158 2244.5,-1158 2136.85,-1265.65 S4.1@1823.28,-1265.65 ; S2.1@1192.28,-1265.65 1477.85,-1265.65 1574.5,-1169 1794.5,-1169 1819.09,-1193.59 1819.09,-1261.46 S4.1@1823.28,-1265.65
  Bottom Layer w20: J2.3@349.45,-290.31 342.73,-297.03 295.22,-297.03 283.5,-308.75 283.5,-449 474.5,-640 474.5,-808 525.5,-859 716.46,-859 728.17,-870.72 728.17,-909.76 U7.3@728.87,-910.46
  Bottom Layer w25: 525.5,-859 525.5,-985 558.28,-1017.78 S1.1@558.28,-1265.65
  other v1: 1205.5,-2376 1235.5,-2376 1205.5,-2345 1235.5,-2345 1205.5,-2314 1235.5,-2314
15V: C1.2 C2.1 C6.1 D8.1 D9.1 J2.2 L2.2 R4.1 R8.1 R32.2 U1.1 U4.1 | length 3177.7
  Top Layer w10: v1@912.5,-2415 912.5,-2546 860.24,-2598.27 R8.1@860.24,-2633.88 898.39,-2633.88 916.5,-2652 916.5,-2710 941.3,-2734.8 R4.1@981,-2734.8
  Top Layer w20: J2.2@449.45,-250.16 605.54,-406.25 R32.2@605.54,-535.23 539.28,-535.23 412.5,-662 D9.1@412.5,-1151.82 413.69,-1153 v1(652.5,-1153) ; D8.1@863.13,-1825.94 866.19,-1829 v1(921.5,-1829)
  Bottom Layer w20: v1(652.5,-1153) 763.5,-1153 875.98,-1265.48 875.98,-1497.48 921.5,-1543 v1(921.5,-1829) v1(921.5,-2332)
  other v1: 535.5,-2928 568.5,-2928 601.5,-2928 535.5,-2893 568.5,-2893 601.5,-2893 886.5,-2409 921.5,-2409 886.5,-2370.5 921.5,-2370.5 886.5,-2332
36V: C5.1 J4.1 R10.2 U2.1 | length 562.2
  Top Layer w8: 431,-1919 931.5,-1919 951.54,-1898.97 R10.2@984.91,-1898.97
AGND: C1.1 C2.2 C5.2 C6.2 C9.1 C10.1 D1.1 D3.1 J1.2 J2.4 J3.2 J4.2 Q1.2 Q3.2 Q4.2 Q5.S Q6.2 Q7.2 Q8.2 R3.1 R6.1 R7.2 R9.1 R11.1 R12.1 R38.1 R39.1 R40.1 R44.1 R45.1 R46.1 U1.0 U1.3 U2.0 U2.3 U2.5 U4.2 U7.2 U7.8
  other v1: 639.76,-3375.98 728.35,-3375.98 807.09,-3375.98 88.58,-3316.93 137.8,-3316.93 187.01,-3316.93 88.58,-3267.72 137.8,-3267.72 187.01,-3267.72 570.87,-3218.5 649.61,-3218.5 728.35,-3218.5 807.09,-3218.5 570.87,-3149.61 649.61,-3149.61 728.35,-3149.61 807.09,-3149.61 88.58,-3129.92 137.8,-3129.92 187.01,-3129.92 88.58,-3080.71 137.8,-3080.71 187.01,-3080.71 570.87,-3080.71 649.61,-3080.71 728.35,-3080.71 807.09,-3080.71 964.57,-3061.02 807.09,-2824.8 807.09,-2785.43 88.58,-2775.59 137.8,-2775.59 187.01,-2775.59 807.09,-2746.06 88.58,-2726.38 137.8,-2726.38 187.01,-2726.38 1013.78,-2657.48 1013.78,-2618.11 88.58,-2598.43 137.8,-2598.43 187.01,-2598.43 1013.78,-2578.74 88.58,-2549.21 137.8,-2549.21 187.01,-2549.21 1289.37,-2431.1 1318.9,-2431.1 1062.99,-2391.73 1387.8,-2381.89 580.71,-2372.05 649.61,-2372.05 728.35,-2372.05 797.24,-2372.05 1387.8,-2342.52 1062.99,-2312.99 98.43,-2244.09 147.64,-2244.09 196.85,-2244.09 98.43,-2194.88 147.64,-2194.88 196.85,-2194.88 561.02,-2175.2 639.76,-2175.2 718.5,-2175.2 797.24,-2175.2 984.25,-2175.2 1053.15,-2175.2 1122.05,-2175.2 561.02,-2106.3 639.76,-2106.3 718.5,-2106.3 797.24,-2106.3 984.25,-2106.3 1053.15,-2106.3 1122.05,-2106.3 98.43,-2066.93 147.64,-2066.93 196.85,-2066.93 561.02,-2037.4 639.76,-2037.4 718.5,-2037.4 797.24,-2037.4 984.25,-2037.4 1053.15,-2037.4 1122.05,-2037.4 98.43,-2017.72 147.64,-2017.72 196.85,-2017.72 777.56,-1860.24 777.56,-1801.18 98.43,-1791.34 974.41,-1771.65 1043.31,-1771.65 708.66,-1751.97 974.41,-1722.44 1043.31,-1722.44 708.66,-1692.91 98.43,-1683.07 708.66,-1643.7 364.17,-1594.49 423.23,-1594.49 98.43,-1564.96 649.61,-1555.12 698.82,-1555.12 748.03,-1555.12 797.24,-1555.12 846.46,-1555.12 1161.42,-1486.22 98.43,-1446.85 1161.42,-1446.85 501.97,-1397.64 659.45,-1397.64 994.09,-1397.64 1033.46,-1397.64 1072.83,-1397.64 1624.02,-1397.64 1663.39,-1397.64 1702.76,-1397.64 1742.13,-1397.64 2253.94,-1397.64 2293.31,-1397.64 2332.68,-1397.64 2372.05,-1397.64 708.66,-1348.43 2923.23,-1348.43 1318.9,-1338.58 1515.75,-1338.58 98.43,-1299.21 2755.91,-1269.68 1564.96,-1259.84 393.7,-1230.31 688.98,-1210.63 98.43,-1161.42 2903.54,-1161.42 944.88,-1112.2 1062.99,-1112.2 1161.42,-1112.2 1250,-1112.2 1338.58,-1112.2 1545.28,-1112.2 1683.07,-1112.2 1830.71,-1112.2 1978.35,-1112.2 2155.51,-1112.2 2283.46,-1112.2 2421.26,-1112.2 2568.9,-1112.2 2755.91,-1112.2 620.08,-1102.36 472.44,-1062.99 620.08,-994.09 767.72,-994.09 925.2,-994.09 1072.83,-994.09 1250,-994.09 1338.58,-994.09 98.43,-984.25 275.59,-964.57 472.44,-944.88 1250,-885.83 1338.58,-885.83 98.43,-826.77 688.98,-807.09 767.72,-807.09 846.46,-807.09 925.2,-807.09 925.2,-698.82 1082.68,-688.98 620.08,-669.29 98.43,-649.61 541.34,-600.39 1171.26,-482.28 98.43,-472.44 797.24,-462.6 344.49,-452.76 807.09,-324.8 1171.26,-305.12 98.43,-295.28 98.43,-127.95 423.23,-127.95 688.98,-127.95 935.04,-127.95 1171.26,-127.95
CAN_H: J2.5 R20.2 U7.7 | length 677.4
  Bottom Layer w8: J2.5@349.45,-370.63 357.69,-378.88 357.69,-410.19 408.88,-461.38 408.88,-485.31 424.57,-501 R20.2@426.54,-501 432.5,-506.97 432.5,-542 637.5,-747 758.5,-747 777.04,-728.47 777.04,-697.72 U7.7@778.87,-695.89
CAN_L: J2.6 R20.1 U7.6 | length 455.4
  Bottom Layer w8: J2.6@449.45,-410.79 449.45,-417.94 456.6,-417.94 493.46,-454.81 R20.1@493.46,-501 579.5,-501 728.87,-650.36 U7.6@728.87,-695.89
EC200_RXD: C28.2 R21.1 U9.23 | length 908.4
  Top Layer w8: v1(1139,-3275) 1139,-3294 1150.31,-3305.31 U9.23@1198.3,-3305.31
  Bottom Layer w8: C28.2@1187.21,-3272.18 1184.4,-3275 v1(1139,-3275) 1139,-2775 1299.63,-2614.37 R21.1@1348.55,-2614.37
EC200_TXD: C27.1 R28.2 U8.5 | length 957.9
  Bottom Layer w8: R28.2@1093.12,-3203.82 1093.12,-3136.88 1116,-3114 1116,-2764 1310.3,-2569.7 1348,-2569.7 ; C27.1@1347.96,-2530.53 1347.96,-2569.66 1348,-2569.7 ; U8.5@1504.95,-2569.7 1348,-2569.7
EXT: R23.2 R30.2 R31.1 U8.1 U8.8 U9.11 | length 1724.6
  Top Layer w12: R30.2@1064.76,-3341.65 1064.76,-3070.24 1144.65,-2990.35 U9.11@1198.3,-2990.35 1283.65,-2990.35 1334,-2940 1334,-2766 v1(1428,-2672) ; v1(1781,-2518) 1814,-2518 1866.78,-2570.78 R31.1@1866.78,-2664.03 1863,-2667.81 v1(1863,-2711)
  Bottom Layer w12: v1(1428,-2672) U8.1@1504.92,-2672.03 ; U8.1@1504.95,-2672.07 1581.1,-2672.07 ; R23.2@1577.87,-2735.94 1577.87,-2675.29 1581.1,-2672.07 ; U8.8@1737.23,-2518.52 1737.49,-2518.26 1780.74,-2518.26 v1(1781,-2518) ; v1(1863,-2711) 1847,-2727 1667.87,-2727 1612.93,-2672.07 1581.1,-2672.07
GND: C7.1 C8.1 C11.1 C12.1 C13.2 C14.1 C15.1 C16.1 C17.1 C18.1 C19.1 C20.1 C21.1 J8.1 J9.1 J10.1 R12.2 R15.1 SWD1.1 U3.4 U5.1 U6.12 U6.18 U6.31 U6.47 U6.63 | length 584.9
  Top Layer w10: v1@2028,-2198.44 2038.96,-2209.39 U6.12@2094.28,-2209.39 ; v1@2191.6,-2443 2202.55,-2432.04 U6.18@2202.55,-2376.72 ; U6.63@2202.55,-1904.28 2202.55,-1848.24 2210.69,-1840.09 v1(2210.69,-1836.41) ; v1@2447.5,-2443 2458.46,-2432.04 U6.31@2458.46,-2376.72 ; U6.47@2566.72,-2012.54 2622.05,-2012.54 v1@2633,-2023.5
  Bottom Layer w10: C20.1@1984.5,-2183.04 1984.5,-2184.25 1999.19,-2198.94 v1(2027.5,-2198.94) ; C19.1@2180.54,-2488 2192.1,-2476.45 v1@2192.1,-2444.5 ; v1(2210.69,-1836.41) 2210.69,-1809.77 C18.1@2220.46,-1800 ; C21.1@2436.04,-2482.5 2448,-2470.54 v1@2448,-2444.5 ; v1(2633.5,-2023) 2663.54,-2023 C17.1@2676.5,-2035.96
  other v1: 2234.25,-2647.64 2312.99,-2647.64 2391.73,-2647.64 2480.32,-2647.64 2578.74,-2647.64 2687.01,-2647.64 2795.28,-2647.64 2903.54,-2647.64 3041.34,-2647.64 3198.82,-2647.64 3316.93,-2647.64 2312.99,-2549.21 2312.99,-2460.63 2588.58,-2450.79 2192.1,-2443.5 2448,-2443.5 2746.06,-2440.94 2904.83,-2438.55 1437.01,-2391.73 1476.38,-2391.73 2908.76,-2346.36 1653.54,-2322.83 1692.91,-2322.83 1732.28,-2322.83 2273.62,-2293.31 2391.73,-2293.31 1732.28,-2283.46 1889.76,-2283.46 2637.8,-2253.94 2706.69,-2253.94 3011.81,-2253.94 1732.28,-2244.09 1437.01,-2224.41 1476.38,-2224.41 1889.76,-2214.57 2273.62,-2204.72 2391.73,-2204.72 2025.5,-2173 1732.28,-2145.67 2025.5,-2146 1889.76,-2135.83 2273.62,-2106.3 2391.73,-2106.3 1732.28,-2076.77 3338.09,-2064.93 1889.76,-2007.87 2273.62,-2007.87 2391.73,-2007.87 1732.28,-1998.03 3070.87,-1998.03 1998.03,-1978.35 1230.32,-1968.5 2734.69,-1953.61 3307.09,-1948.82 1515.75,-1938.98 1584.65,-1938.98 1889.76,-1938.98 1269.69,-1919.29 1230.32,-1909.45 2529.53,-1909.45 1732.28,-1899.61 2780.69,-1897.71 1472,-1896 1629,-1892 1998.03,-1870.08 3307.09,-1870.08 1269.69,-1860.24 2529.53,-1860.24 1889.76,-1850.39 1663.39,-1840.55 2836,-1841 1732.28,-1830.71 2096.46,-1820.87 1269.69,-1801.18 1633.86,-1742.13 1702.76,-1742.13 1781.5,-1742.13 1870.08,-1742.13 1948.82,-1742.13 2047.24,-1742.13 2401.57,-1732.28 3307.09,-1683.07 2322.83,-1643.7 2431.1,-1643.7 2705.85,-1642.7 2605.9,-1641.7 3021.65,-1614.17 3307.09,-1486.22 3100.39,-1437.01 3100.39,-1318.9 3307.09,-1289.37 3307.09,-1092.52 3031.5,-1043.31 2942.91,-1033.46 3031.5,-964.57 3307.09,-895.67 3110.24,-728.35 3110.24,-649.61 3307.09,-600.39 3021.65,-452.76 3307.09,-413.39 3001.97,-364.17 2962.6,-236.22 3307.09,-216.54 2962.6,-88.58 3307.09,-88.58